# Altium PCB pay-optical-tls2591.PcbDoc (part 2 of 4)
Units mm, origin at the board's own origin, x right, y up, seen from the top; angles counter-clockwise.
Board outline 127 x 55 mm, 4 copper layers (Top Layer, GND, POWER, Bottom Layer), stack 0.778 mm thick; 340 components, 205 nets, 1087 pads, 428 vias.
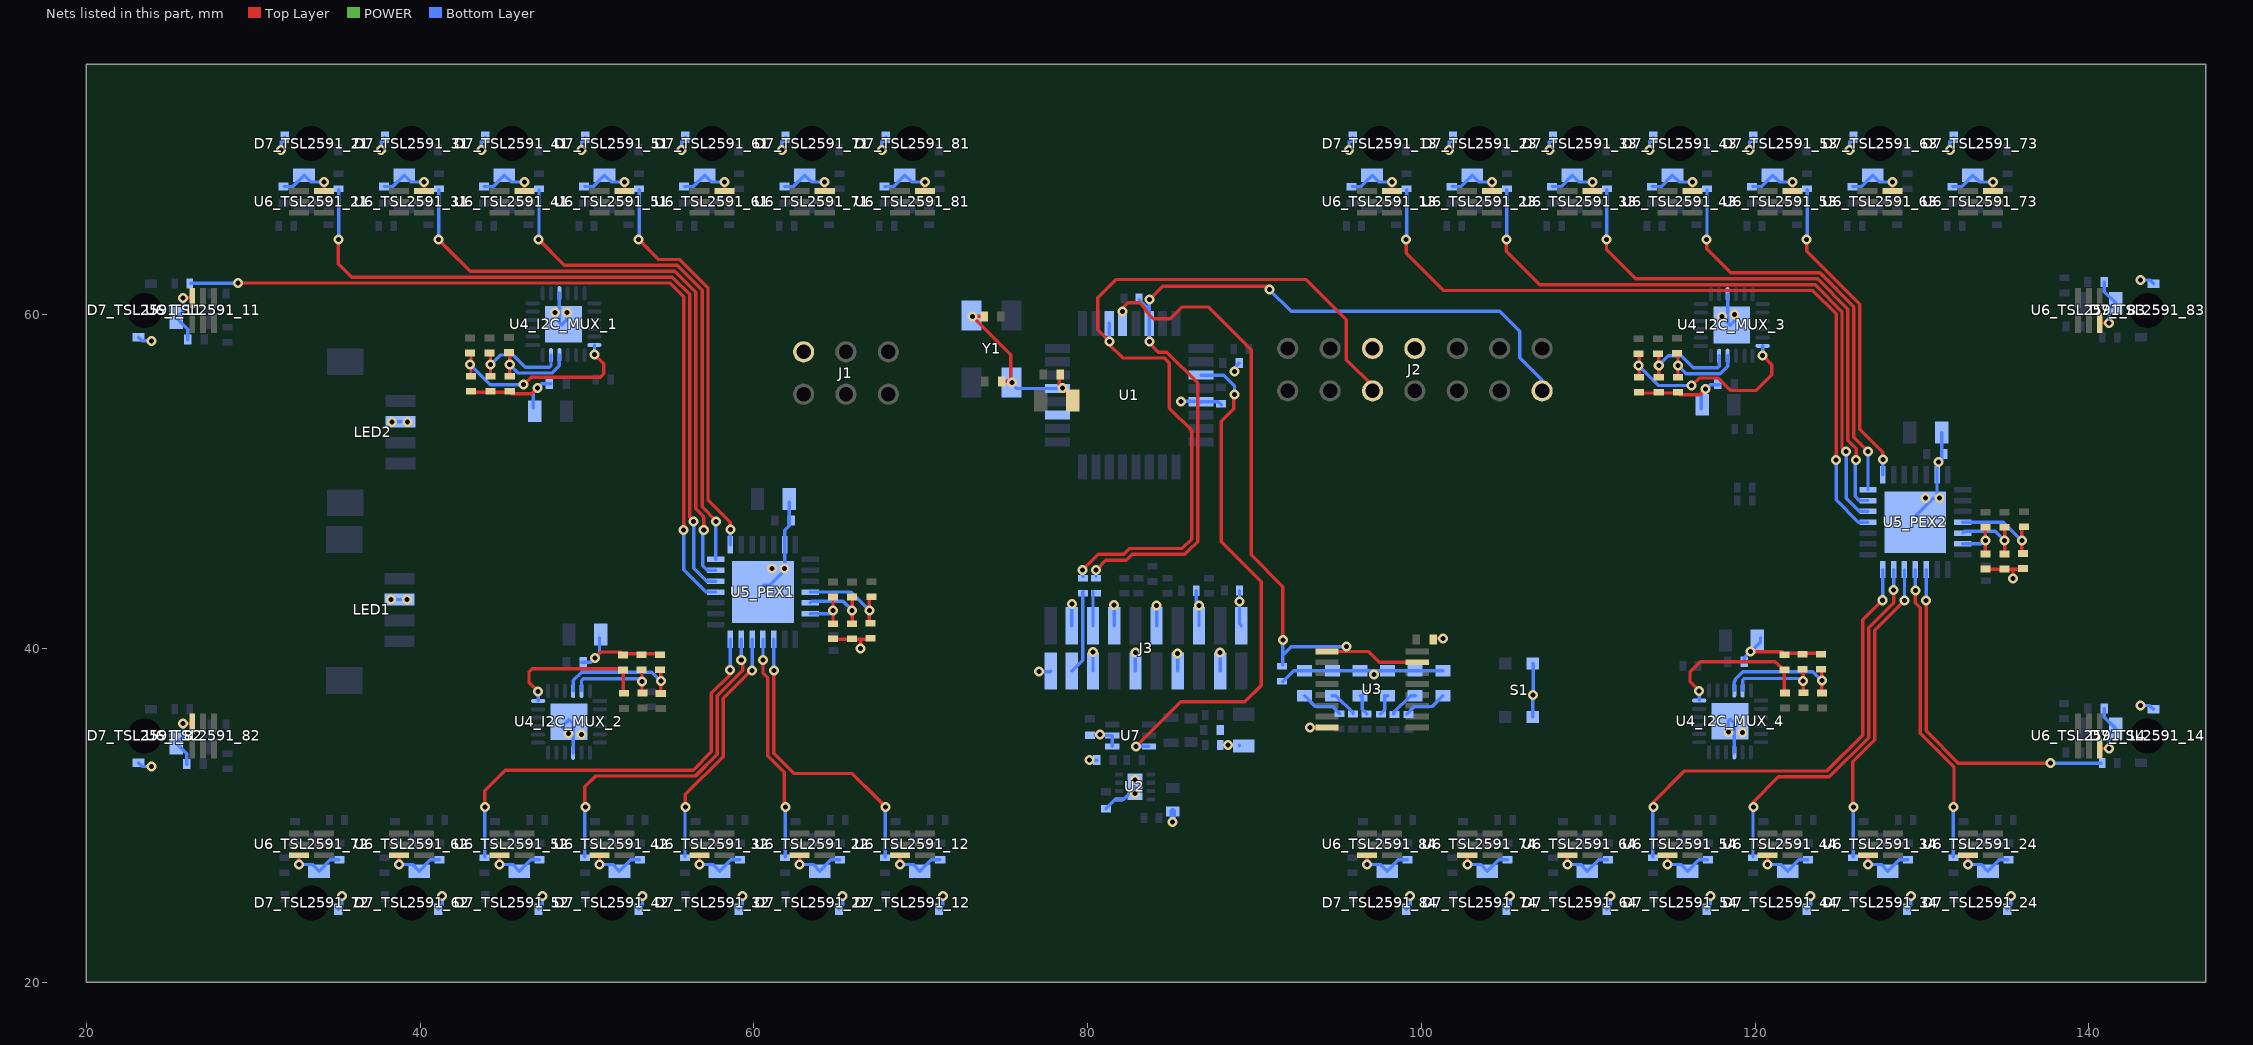
[diagram p4: the nets of this part, all layers, seen from the top]

## Footprints (in the part's own frame and the unit in brackets; to place one, negate y for a bottom-side part, rotate by r counter-clockwise, add the part's x,y. Pads: shape width x height; smd on the part's side, far side on the other; paste and mask are expansions set on the pad) (continued)
RES0603R [mm] "resistor 0603 reflow soldering"
  rect 0.5x0.9 smd mask+0: 1(-0.75,0) 2(0.75,0)
  silkscreen extent -0.2,-0.5 0.2,0.5, body extent -0.8,-0.4 0.8,0.4, height 0.45
RGE0024C [mm]
  rect 0.857x0.239 smd paste+0 mask+0: 1(-1.851,1.25)
  oval 0.857x0.239 smd paste+0 mask+0: 2(-1.851,0.75) 3(-1.851,0.25) 4(-1.851,-0.25) 5(-1.851,-0.75) 6(-1.851,-1.25) 13(1.851,-1.25) 14(1.851,-0.75) 15(1.851,-0.25) 16(1.851,0.25) 17(1.851,0.75) 18(1.851,1.25)
  oval 0.239x0.857 smd paste+0 mask+0: 7(-1.25,-1.851) 8(-0.75,-1.851) 9(-0.25,-1.851) 10(0.25,-1.851) 11(0.75,-1.851) 12(1.25,-1.851) 19(1.25,1.851) 20(0.75,1.851) 21(0.25,1.851) 22(-0.25,1.851) 23(-0.75,1.851) 24(-1.25,1.851)
  rect 2.2x2.2 smd paste-1000 mask+0: 25(0,0)
  silkscreen extent -2.8,-2.07 2.07,2.07, body extent -2.05,-2.05 2.05,2.05, height 1
SFMC-110-02-L-D [mil] "CONN RCPT 20POS 0.05 GOLD SMD"
  rect 29x88 smd: 1(225,-53.5) 2(225,53.5) 3(175,-53.5) 4(175,53.5) 5(125,-53.5) 6(125,53.5) 7(75,-53.5) 8(75,53.5) 9(25,-53.5) 10(25,53.5) 11(-25,-53.5) 12(-25,53.5) 13(-75,-53.5) 14(-75,53.5) 15(-125,-53.5) 16(-125,53.5) 17(-175,-53.5) 18(-175,53.5) 19(-225,-53.5) 20(-225,53.5)
  silkscreen extent -280,-108 278,108, body extent -258,-83 258,82, height 180
SLW-103-01-X-D [mil] "CONN RCPT 6POS 0.1 GOLD PCB"
  round 50 hole 34: 1(100,50) 2(100,-50) 3(0,50) 4(0,-50) 5(-100,50) 6(-100,-50)
  silkscreen extent -170,-118 170,118, body extent -150,-97 150,98, height 180
SLW-107-01-X-D [mil]
  round 50 hole 34: 1(300,-50) 2(300,50) 3(200,-50) 4(200,50) 5(100,-50) 6(100,50) 7(0,-50) 8(0,50) 9(-100,-50) 10(-100,50) 11(-200,-50) 12(-200,50) 13(-300,-50) 14(-300,50)
  silkscreen extent -370,-118 370,118, body extent -350,-98 350,98, height 180
SOP65P640X120-16N [mm] "SOP + Pitch P + Lead Span Nominal X Height - #Pins"
  rect 1.4x0.35 smd: 1(0,0) 2(0,-0.65) 3(0,-1.3) 4(0,-1.95) 5(0,-2.6) 6(0,-3.25) 7(0,-3.9) 8(0,-4.55) 9(5.4,-4.55) 10(5.4,-3.9) 11(5.4,-3.25) 12(5.4,-2.6) 13(5.4,-1.95) 14(5.4,-1.3) 15(5.4,-0.65) 16(5.4,0)
  body extent -0.61,-4.84 5.99,0.27, height 1.2
"TI-SOT-SC70 (DCK)" [mm] "IC CURR SENSE 1 CIRCUIT SC70-6"
  rect 0.85x0.35 smd: 1(-1.1,0.65) 2(-1.1,0) 3(-1.1,-0.65) 4(1.1,-0.65) 5(1.1,0) 6(1.1,0.65)
  silkscreen extent -2.4,0.4 -1.9,0.9, body extent -1.05,-1 1.05,1, height 1

## Part data
C1 C3 C4 C10_I2C_MUX_1 C10_I2C_MUX_2 C10_I2C_MUX_3 C10_I2C_MUX_4 C15_PEX1 C15_PEX2 C18: library part "Cap Semi", "Capacitor (Semiconductor SIM Model)", Capacitance=100nF, Case Code (Metric)=1005, Dielectric=X7R, Manufacturer=Murata, Manufacturer Part Number=GCM155R71C104KA55J, Max Operating Temperature=125°C, Min Operating Temperature=-55°C, Package Quantity=1, Ratings=AEC-Q200, Supplier Part Number 1=587-3807-1-ND, Tolerance=10%, Voltage Rating=16V, Case/Package=0402, Case Code (Imperial)=0402, ComponentLink1Description=http://psearch.murata.com/capacitor/product/GCM155R71C104KA55%23.pdf?src-supplier=Avnet, ComponentLink1URL=http://psearch.murata.com/capacitor/product/GCM155R71C104KA55%23.pdf?src-supplier=Avnet, ComponentLink2Description=http://www1.futureelectronics.com/doc/MURATA/GCM155R71C104KA55J.pdf?src-supplier=Future+Electronics, ComponentLink2URL=http://www1.futureelectronics.com/doc/MURATA/GCM155R71C104KA55J.pdf?src-supplier=Future+Electronics, ComponentLink3Description=http://psearch.en.murata.com/capacitor/product/GCM155R71C104KA55%23.pdf?src-supplier=Digi-Key, ComponentLink3URL=http://psearch.en.murata.com/capacitor/product/GCM155R71C104KA55%23.pdf?src-supplier=Digi-Key, ComponentLink4Description=http://search.murata.co.jp/Ceramy/image/img/A01X/partnumbering_e_02.pdf?src-supplier=Digi-Key, ComponentLink4URL=http://search.murata.co.jp/Ceramy/image/img/A01X/partnumbering_e_02.pdf?src-supplier=Digi-Key, Depth=0.5mm, Height=0.5mm, LatestRevisionDate=29-May-2009, LatestRevisionNote="IPC-7351 Footprint Added.", Lead Free="Lead Free", Length=1mm, Mount="Surface Mount", PackageDescription="Chip Capacitor", PackageReference=C1206, Packaging="Tape and Reel", Pricing 2="1=0.1, 10=0.058, 100=0.026, 500=0.01858, 1000=0.0146, 2500=0.01328, 5000=0.01221 (USD)", Published=8-Jun-2000, Publisher="Altium Limited", Radiation Hardening=No, Stock 2=5962647, Supplier 1=Digi-Key, Supplier 2=Digi-Key, Supplier Part Number 2=490-7998-1-ND, Termination=SMD/SMT, Thickness=0.022inch, Voltage Rating (DC)=16V, Width=0.5mm
  C3: Pricing 3="1=0.17, 10=0.12, 100=0.0564, 500=0.03952, 1000=0.03273 (USD)", Stock 3=396535, Supplier 3=Digi-Key, Supplier Part Number 3=399-17704-1-ND
C2 C11_TSL2591_11 C11_TSL2591_12 C11_TSL2591_13 C11_TSL2591_14 C11_TSL2591_21 C11_TSL2591_22 C11_TSL2591_23 C11_TSL2591_24 C11_TSL2591_31 C11_TSL2591_32 C11_TSL2591_33 C11_TSL2591_34 C11_TSL2591_41 C11_TSL2591_42 C11_TSL2591_43 C11_TSL2591_44 C11_TSL2591_51 C11_TSL2591_52 C11_TSL2591_53 C11_TSL2591_54 C11_TSL2591_61 C11_TSL2591_62 C11_TSL2591_63 C11_TSL2591_64 C11_TSL2591_71 C11_TSL2591_72 C11_TSL2591_73 C11_TSL2591_74 C11_TSL2591_81 C11_TSL2591_82 C11_TSL2591_83 C11_TSL2591_84 C12_PEX1 C12_PEX2 C14_I2C_MUX_1 C14_I2C_MUX_2 C14_I2C_MUX_3 C14_I2C_MUX_4: library part Cap, "Capacitor", Capacitance=10uF, Case Code (Metric)=2012, Dielectric=X7R, Manufacturer=TDK, Manufacturer Part Number=CGA4J1X7R0J106K125AC, Max Operating Temperature=125°C, Min Operating Temperature=-55°C, Package Quantity=1, Ratings=AEC-Q200, Supplier Part Number 1=445-6971-1-ND, Tolerance=10%, Voltage Rating=6.3V, Case/Package=0805, Case Code (Imperial)=0805, ComponentLink1Description=http://www.farnell.com/datasheets/1807242.pdf?src-supplier=Element14, ComponentLink1URL=http://www.farnell.com/datasheets/1807242.pdf?src-supplier=Element14, ComponentLink2Description=http://product.tdk.com/capacitor/mlcc/detailed_information.php?lang=en&amp;ref=jp&amp;part_no=CGA4J1X7R0J106K125AC&src-supplier=Mouser, ComponentLink2URL=http://product.tdk.com/capacitor/mlcc/detailed_information.php?lang=en&amp;ref=jp&amp;part_no=CGA4J1X7R0J106K125AC&src-supplier=Mouser, Composition=Ceramic, Depth=1.25mm, Height=1.25mm, LatestRevisionDate=17-Jul-2002, LatestRevisionNote="Re-released for DXP Platform.", Lead Free="Lead Free", Length=2mm, Mount="Surface Mount", PackageDescription="Radial Cap, Thru-Hole; 2 Leads; 0.3 in Pin Spacing", PackageReference=RAD-0.3, Packaging="Tape and Reel", Pricing 1="1=0.48, 10=0.331, 100=0.1984, 500=0.14878, 1000=0.12564 (USD)", Published=8-Jun-2000, Publisher="Altium Limited", REACH SVHC="No SVHC", Stock 1=793917, Supplier 1=Digi-Key, Termination=SMD/SMT, Thickness=0.057inch, Voltage Rating (DC)=6.3V, Weight=0.000194oz, Width=0.049inch
C5 C6: library part Cap, "Capacitor", Capacitance=22pF, Case Code (Metric)=1005, Manufacturer=KEMET, Manufacturer Part Number=C0402C220K4RAC7867, Max Operating Temperature=125°C, Min Operating Temperature=-55°C, Supplier Part Number 1=399-17554-1-ND, Tolerance=10%, Voltage Rating=16V, Case/Package=0402, Case Code (Imperial)=0402, LatestRevisionDate=17-Jul-2002, LatestRevisionNote="Re-released for DXP Platform.", Mount="Surface Mount", PackageDescription="Radial Cap, Thru-Hole; 2 Leads; 0.3 in Pin Spacing", PackageReference=RAD-0.3, Packaging="Tape and Reel", Pricing 1="1=0.19, 10=0.132, 100=0.062, 500=0.0435, 1000=0.03601, 2500=0.03351, 5000=0.03066 (USD)", Published=8-Jun-2000, Publisher="Altium Limited", Stock 1=72125, Supplier 1=Digi-Key
C7 C8 C16 C17 C20: library part Cap, "Capacitor", LatestRevisionDate=17-Jul-2002, LatestRevisionNote="Re-released for DXP Platform.", PackageDescription="Radial Cap, Thru-Hole; 2 Leads; 0.3 in Pin Spacing", PackageReference=RAD-0.3, Published=8-Jun-2000, Publisher="Altium Limited"
C9: library part "Cap Semi", "Capacitor (Semiconductor SIM Model)", LatestRevisionDate=29-May-2009, LatestRevisionNote="IPC-7351 Footprint Added.", PackageDescription="Chip Capacitor", PackageReference=C1206, Published=8-Jun-2000, Publisher="Altium Limited"
C13_TSL2591_11 C13_TSL2591_12 C13_TSL2591_13 C13_TSL2591_14 C13_TSL2591_21 C13_TSL2591_22 C13_TSL2591_23 C13_TSL2591_24 C13_TSL2591_31 C13_TSL2591_32 C13_TSL2591_33 C13_TSL2591_34 C13_TSL2591_41 C13_TSL2591_42 C13_TSL2591_43 C13_TSL2591_44 C13_TSL2591_51 C13_TSL2591_52 C13_TSL2591_53 C13_TSL2591_54 C13_TSL2591_61 C13_TSL2591_62 C13_TSL2591_63 C13_TSL2591_64 C13_TSL2591_71 C13_TSL2591_72 C13_TSL2591_73 C13_TSL2591_74 C13_TSL2591_81 C13_TSL2591_82 C13_TSL2591_83 C13_TSL2591_84: library part Cap, "Capacitor", Capacitance=100nF, Case Code (Metric)=1005, Dielectric=X7R, Manufacturer=Murata, Manufacturer Part Number=GCM155R71C104KA55J, Max Operating Temperature=125°C, Min Operating Temperature=-55°C, Package Quantity=1, Ratings=AEC-Q200, Tolerance=10%, Voltage Rating=16V, Case/Package=0402, Case Code (Imperial)=0402, ComponentLink1Description=http://psearch.murata.com/capacitor/product/GCM155R71C104KA55%23.pdf?src-supplier=Avnet, ComponentLink1URL=http://psearch.murata.com/capacitor/product/GCM155R71C104KA55%23.pdf?src-supplier=Avnet, ComponentLink2Description=http://www1.futureelectronics.com/doc/MURATA/GCM155R71C104KA55J.pdf?src-supplier=Future+Electronics, ComponentLink2URL=http://www1.futureelectronics.com/doc/MURATA/GCM155R71C104KA55J.pdf?src-supplier=Future+Electronics, ComponentLink3Description=http://psearch.en.murata.com/capacitor/product/GCM155R71C104KA55%23.pdf?src-supplier=Digi-Key, ComponentLink3URL=http://psearch.en.murata.com/capacitor/product/GCM155R71C104KA55%23.pdf?src-supplier=Digi-Key, ComponentLink4Description=http://search.murata.co.jp/Ceramy/image/img/A01X/partnumbering_e_02.pdf?src-supplier=Digi-Key, ComponentLink4URL=http://search.murata.co.jp/Ceramy/image/img/A01X/partnumbering_e_02.pdf?src-supplier=Digi-Key, Depth=0.5mm, Height=0.5mm, LatestRevisionDate=17-Jul-2002, LatestRevisionNote="Re-released for DXP Platform.", Lead Free="Lead Free", Length=1mm, Mount="Surface Mount", PackageDescription="Radial Cap, Thru-Hole; 2 Leads; 0.3 in Pin Spacing", PackageReference=RAD-0.3, Packaging="Tape and Reel", Pricing 2="1=0.1, 10=0.058, 100=0.026, 500=0.01858, 1000=0.0146, 2500=0.01328, 5000=0.01221 (USD)", Published=8-Jun-2000, Publisher="Altium Limited", Radiation Hardening=No, Stock 2=5962647, Supplier 1=Digi-Key, Supplier 2=Digi-Key, Supplier Part Number 2=490-7998-1-ND, Termination=SMD/SMT, Thickness=0.022inch, Voltage Rating (DC)=16V, Width=0.5mm
C19: library part Cap, "Capacitor", Capacitance=220pF, Case/Package=0402, Case Code (Metric)=1005, Dielectric=X7R, Manufacturer=Murata, Manufacturer Part Number=GCM155R71H221KA37D, Max Operating Temperature=125°C, Min Operating Temperature=-55°C, Package Quantity=1, Ratings=AEC-Q200, Supplier Part Number 1=490-4912-1-ND, Tolerance=10%, Voltage=50V, Case Code (Imperial)=0402, ComponentLink1Description=http://psearch.murata.com/capacitor/product/GCM155R71H221KA37%23.pdf?src-supplier=Avnet+Europe, ComponentLink1URL=http://psearch.murata.com/capacitor/product/GCM155R71H221KA37%23.pdf?src-supplier=Avnet+Europe, ComponentLink2Description=http://search.murata.co.jp/Ceramy/image/img/A01X/partnumbering_e_02.pdf?src-supplier=Digi-Key, ComponentLink2URL=http://search.murata.co.jp/Ceramy/image/img/A01X/partnumbering_e_02.pdf?src-supplier=Digi-Key, ComponentLink3Description=https://www.murata.com/~/media/webrenewal/support/library/catalog/products/capacitor/mlcc/c03e.ashx?src-supplier=Avnet, ComponentLink3URL=https://www.murata.com/~/media/webrenewal/support/library/catalog/products/capacitor/mlcc/c03e.ashx?src-supplier=Avnet, Depth=0.5mm, Height=0.5mm, LatestRevisionDate=17-Jul-2002, LatestRevisionNote="Re-released for DXP Platform.", Length=1mm, Mount="Surface Mount", PackageDescription="Radial Cap, Thru-Hole; 2 Leads; 0.3 in Pin Spacing", PackageReference=RAD-0.3, Packaging="Tape and Reel", Pricing 1="1=0.1, 10=0.059, 100=0.0264, 500=0.01884, 1000=0.0148, 2500=0.01346, 5000=0.01238 (USD)", Published=8-Jun-2000, Publisher="Altium Limited", Radiation Hardening=No, Stock 1=43838, Supplier 1=Digi-Key, Termination=SMD/SMT, Thickness=0.022inch, Voltage Rating=50V, Voltage Rating (DC)=50V, Width=0.02inch
D1 D2 D3 D4 D5 D6: library part LED, "Just a generic LED"
D7_TSL2591_11 D7_TSL2591_12 D7_TSL2591_13 D7_TSL2591_14 D7_TSL2591_21 D7_TSL2591_22 D7_TSL2591_23 D7_TSL2591_24 D7_TSL2591_31 D7_TSL2591_32 D7_TSL2591_33 D7_TSL2591_34 D7_TSL2591_41 D7_TSL2591_42 D7_TSL2591_43 D7_TSL2591_44 D7_TSL2591_51 D7_TSL2591_52 D7_TSL2591_53 D7_TSL2591_54 D7_TSL2591_61 D7_TSL2591_62 D7_TSL2591_63 D7_TSL2591_64 D7_TSL2591_71 D7_TSL2591_72 D7_TSL2591_73 D7_TSL2591_74 D7_TSL2591_81 D7_TSL2591_82 D7_TSL2591_83 D7_TSL2591_84: library part "LB P4SG", "LED BLUE CLEAR SMD BOTTOM ENTRY", Supplier Part Number 1=475-2814-2-ND, Supplier 1=Digi-Key
J1: Supplier Part Number 1=SAM1088-03-ND, Supplier 1=Digi-Key
J2: Supplier Part Number 1=SAM1088-07-ND, Supplier 1=Digi-Key
J3: Supplier Part Number 1=SAM8969-ND, Supplier 1=Digi-Key
L1: library part Inductor, "Inductor", Case/Package=0402, Case Code (Metric)=1005, DC Resistance (DCR)=55mR, Manufacturer=Murata, Manufacturer Part Number=BLM15PX121SZ1D, Max Current Rating=2A, Max Operating Temperature=125°C, Min Operating Temperature=-55°C, Ratings=AEC-Q200, Supplier Part Number 1=490-16505-1-ND, Case Code (Imperial)=0402, Code_IEC=1005, Code_JEITA=0402, LatestRevisionDate=29-May-2009, LatestRevisionNote="IPC-7351 Footprint Added.", Mount="Surface Mount", Number of Lines=1, PackageDescription="Chip Inductor", PackageReference=0402-A, Packaging="Cut Tape", Pricing 1="1=0.15, 10=0.125, 25=0.0972, 50=0.0804, 100=0.0693, 250=0.05544, 500=0.0499, 1000=0.04158, 5000=0.03881 (USD)", Published=8-Jun-2000, Publisher="Altium Limited", Stock 1=18936, Supplier 1=Digi-Key
LED1 LED2: library part "Header 4", "Header, 4-Pin", LatestRevisionDate=17-Jul-2002, LatestRevisionNote="Re-released for DXP Platform.", Publisher="Altium Limited"
R1: library part Res3, "Resistor", LatestRevisionDate=29-May-2009, LatestRevisionNote="IPC-7351 Footprint Added.", PackageDescription="Chip Resistor", PackageReference=J1-0603, Published=8-Jun-2000, Publisher="Altium Limited", Supplier 1=Digi-Key
R2 R3 R4 R5 R6 R7 R8 R9 R10 R11 R12 R13 R14 R15 R16 R17 R18 R19 R20 R21 R22_TSL2591_11 R22_TSL2591_12 R22_TSL2591_13 R22_TSL2591_14 R22_TSL2591_21 R22_TSL2591_22 R22_TSL2591_23 R22_TSL2591_24 R22_TSL2591_31 R22_TSL2591_32 R22_TSL2591_33 R22_TSL2591_34 R22_TSL2591_41 R22_TSL2591_42 R22_TSL2591_43 R22_TSL2591_44 R22_TSL2591_51 R22_TSL2591_52 R22_TSL2591_53 R22_TSL2591_54 R22_TSL2591_61 R22_TSL2591_62 R22_TSL2591_63 R22_TSL2591_64 R22_TSL2591_71 R22_TSL2591_72 R22_TSL2591_73 R22_TSL2591_74 R22_TSL2591_81 R22_TSL2591_82 R22_TSL2591_83 R22_TSL2591_84 R23_TSL2591_11 R23_TSL2591_12 R23_TSL2591_13 R23_TSL2591_14 R23_TSL2591_21 R23_TSL2591_22 R23_TSL2591_23 R23_TSL2591_24 R23_TSL2591_31 R23_TSL2591_32 R23_TSL2591_33 R23_TSL2591_34 R23_TSL2591_41 R23_TSL2591_42 R23_TSL2591_43 R23_TSL2591_44 R23_TSL2591_51 R23_TSL2591_52 R23_TSL2591_53 R23_TSL2591_54 R23_TSL2591_61 R23_TSL2591_62 R23_TSL2591_63 R23_TSL2591_64 R23_TSL2591_71 R23_TSL2591_72 R23_TSL2591_73 R23_TSL2591_74 R23_TSL2591_81 R23_TSL2591_82 R23_TSL2591_83 R23_TSL2591_84 R24_TSL2591_11 R24_TSL2591_12 R24_TSL2591_13 R24_TSL2591_14 R24_TSL2591_21 R24_TSL2591_22 R24_TSL2591_23 R24_TSL2591_24 R24_TSL2591_31 R24_TSL2591_32 R24_TSL2591_33 R24_TSL2591_34 R24_TSL2591_41 R24_TSL2591_42 R24_TSL2591_43 R24_TSL2591_44 R24_TSL2591_51 R24_TSL2591_52 R24_TSL2591_53 R24_TSL2591_54 R24_TSL2591_61 R24_TSL2591_62 R24_TSL2591_63 R24_TSL2591_64 R24_TSL2591_71 R24_TSL2591_72 R24_TSL2591_73 R24_TSL2591_74 R24_TSL2591_81 R24_TSL2591_82 R24_TSL2591_83 R24_TSL2591_84 R25 R26 R32_PEX1 R32_PEX2 R45_I2C_MUX_1 R45_I2C_MUX_2 R45_I2C_MUX_3 R45_I2C_MUX_4: library part Res1, "Resistor", LatestRevisionDate=17-Jul-2002, LatestRevisionNote="Re-released for DXP Platform.", PackageDescription="Axial Device, Thru-Hole; 2 Leads; 0.3 in Pin Spacing", PackageReference=AXIAL-0.3, Published=8-Jun-2000, Publisher="Altium Limited"
  R2 R3 R4 R5 R14 R15 R16 R17 R18 R19 R20 R21 R22_TSL2591_11 R22_TSL2591_12 R22_TSL2591_13 R22_TSL2591_14 R22_TSL2591_21 R22_TSL2591_22 R22_TSL2591_23 R22_TSL2591_24 R22_TSL2591_31 R22_TSL2591_32 R22_TSL2591_33 R22_TSL2591_34 R22_TSL2591_41 R22_TSL2591_42 R22_TSL2591_43 R22_TSL2591_44 R22_TSL2591_51 R22_TSL2591_52 R22_TSL2591_53 R22_TSL2591_54 R22_TSL2591_61 R22_TSL2591_62 R22_TSL2591_63 R22_TSL2591_64 R22_TSL2591_71 R22_TSL2591_72 R22_TSL2591_73 R22_TSL2591_74 R22_TSL2591_81 R22_TSL2591_82 R22_TSL2591_83 R22_TSL2591_84 R23_TSL2591_11 R23_TSL2591_12 R23_TSL2591_13 R23_TSL2591_14 R23_TSL2591_21 R23_TSL2591_22 R23_TSL2591_23 R23_TSL2591_24 R23_TSL2591_31 R23_TSL2591_32 R23_TSL2591_33 R23_TSL2591_34 R23_TSL2591_41 R23_TSL2591_42 R23_TSL2591_43 R23_TSL2591_44 R23_TSL2591_51 R23_TSL2591_52 R23_TSL2591_53 R23_TSL2591_54 R23_TSL2591_61 R23_TSL2591_62 R23_TSL2591_63 R23_TSL2591_64 R23_TSL2591_71 R23_TSL2591_72 R23_TSL2591_73 R23_TSL2591_74 R23_TSL2591_81 R23_TSL2591_82 R23_TSL2591_83 R23_TSL2591_84 R24_TSL2591_11 R24_TSL2591_12 R24_TSL2591_13 R24_TSL2591_14 R24_TSL2591_21 R24_TSL2591_22 R24_TSL2591_23 R24_TSL2591_24 R24_TSL2591_31 R24_TSL2591_32 R24_TSL2591_33 R24_TSL2591_34 R24_TSL2591_41 R24_TSL2591_42 R24_TSL2591_43 R24_TSL2591_44 R24_TSL2591_51 R24_TSL2591_52 R24_TSL2591_53 R24_TSL2591_54 R24_TSL2591_61 R24_TSL2591_62 R24_TSL2591_63 R24_TSL2591_64 R24_TSL2591_71 R24_TSL2591_72 R24_TSL2591_73 R24_TSL2591_74 R24_TSL2591_81 R24_TSL2591_82 R24_TSL2591_83 R24_TSL2591_84 R25 R32_PEX1 R32_PEX2 R45_I2C_MUX_1 R45_I2C_MUX_2 R45_I2C_MUX_3 R45_I2C_MUX_4: Supplier 1=Digi-Key
R27 R33_PEX1 R33_PEX2 R34_PEX1 R34_PEX2 R35_PEX1 R35_PEX2 R36_PEX1 R36_PEX2 R37_PEX1 R37_PEX2 R38_PEX1 R38_PEX2 R39_I2C_MUX_1 R39_I2C_MUX_2 R39_I2C_MUX_3 R39_I2C_MUX_4 R40_I2C_MUX_1 R40_I2C_MUX_2 R40_I2C_MUX_3 R40_I2C_MUX_4 R41_I2C_MUX_1 R41_I2C_MUX_2 R41_I2C_MUX_3 R41_I2C_MUX_4 R42_I2C_MUX_1 R42_I2C_MUX_2 R42_I2C_MUX_3 R42_I2C_MUX_4 R43_I2C_MUX_1 R43_I2C_MUX_2 R43_I2C_MUX_3 R43_I2C_MUX_4 R44_I2C_MUX_1 R44_I2C_MUX_2 R44_I2C_MUX_3 R44_I2C_MUX_4: library part Res1, "Resistor", Case Code (Metric)=1005, Manufacturer=Panasonic, Manufacturer Part Number=ERJ2GE0R00X, Max Operating Temperature=155°C, Max Power Dissipation=100mW, Min Operating Temperature=-55°C, Package Quantity=1, Resistance=0mR, Temperature Coefficient=600ppm/°C, Tolerance=5%, Voltage Rating=50V, Case/Package=0402, Case Code (Imperial)=0402, ComponentLink1Description=http://industrial.panasonic.com/www-data/pdf/AOA0000/AOA0000CE1.pdf?src-supplier=Avnet, ComponentLink1URL=http://industrial.panasonic.com/www-data/pdf/AOA0000/AOA0000CE1.pdf?src-supplier=Avnet, ComponentLink2Description=http://www.alliedelec.com/m/d/51cd0790071e1666bdb9d00c57fcf960.pdf?src-supplier=Allied+Electronics, ComponentLink2URL=http://www.alliedelec.com/m/d/51cd0790071e1666bdb9d00c57fcf960.pdf?src-supplier=Allied+Electronics, ComponentLink3Description=http://industrial.panasonic.com/www-data/pdf/AOA0000/AOA0000CE1.pdf?src-supplier=Avnet+Europe, ComponentLink3URL=http://industrial.panasonic.com/www-data/pdf/AOA0000/AOA0000CE1.pdf?src-supplier=Avnet+Europe, ComponentLink4Description=http://www.farnell.com/datasheets/2059623.pdf?src-supplier=Farnell, ComponentLink4URL=http://www.farnell.com/datasheets/2059623.pdf?src-supplier=Farnell, ComponentLink5Description=http://www.farnell.com/datasheets/1678796.pdf?src-supplier=Element14, ComponentLink5URL=http://www.farnell.com/datasheets/1678796.pdf?src-supplier=Element14, ComponentLink6Description=http://www.farnell.com/datasheets/2059623.pdf?src-supplier=Element14, ComponentLink6URL=http://www.farnell.com/datasheets/2059623.pdf?src-supplier=Element14, Composition="Thick Film", Contact Plating=Tin, Depth=0.5mm, Features="Automotive AEC-Q200", Height=0.35mm, LatestRevisionDate=17-Jul-2002, LatestRevisionNote="Re-released for DXP Platform.", Lead Free="Lead Free", Length=1mm, Military Standard=Not, Mount="Surface Mount", Number of Terminations=2, PackageDescription="Axial Device, Thru-Hole; 2 Leads; 0.3 in Pin Spacing", PackageReference=AXIAL-0.3, Packaging="Tape and Reel", Power Rating=100mW, Pricing 2="1=0.1, 10=0.03, 25=0.0216, 50=0.0164, 100=0.0121, 250=0.00924, 500=0.0074, 1000=0.00545, 5000=0.00391 (USD)", Published=8-Jun-2000, Publisher="Altium Limited", Radiation Hardening=No, REACH SVHC="No SVHC", Stock 2=51531353, Supplier 1=Digi-Key, Supplier 2=Digi-Key, Supplier Part Number 2=P0.0JCT-ND, Termination=SMD/SMT, Voltage Rating (DC)=50V, Width=0.02inch
S1: library part "Pushbutton - Low Profile", "Schematic symbol for a generic 2-pin pushbutton, OFF-mom.", Supplier 1=Digi-Key
U1: library part ATMEGA8A-AUR, "8-bit AVR Microcontroller, 2.7-5.5V, 16MHz, 8KB Flash, 512 Bytes EEPROM, 1KB SRAM, 32-pin TQFP, Industrial Grade (-40°C to 85°C), Reel", Supplier Part Number 1=ATMEGA8A-AURCT-ND, Code_JEDEC=MS-026-ABA, ComponentLink1Description="Manufacturer URL", ComponentLink1URL=http://www.atmel.com/, ComponentLink2Description="ATmega8A Datasheet", ComponentLink2URL=http://www.atmel.com/dyn/resources/prod_documents/doc8159.pdf, ComponentLink3Description="ATmega8A Summary", ComponentLink3URL=http://www.atmel.com/dyn/resources/prod_documents/8159S.pdf, DatasheetVersion="revD, Feb-2011", PackageDescription="32-Lead, 7x7x1.0 mm Body, 0.8mm Lead Pitch, Thin Profile Plastic Quad Flat Package (TQFP)", PackageReference=32A, PackageVersion="revC, Oct-2010", PartNumber=ATMEGA8A-AUR, Supplier 1=Digi-Key
U2: "IC LOAD SWITCH N-CH 6A 8WSON", Supplier Part Number 1=296-47228-1-ND, ComponentLink1Description=Datasheet, ComponentLink1URL=http://www.ti.com/general/docs/suppproductinfo.tsp?distId=10&gotoUrl=http%3A%2F%2Fwww.ti.com%2Flit%2Fgpn%2Ftps22975, Supplier 1=Digi-Key
U3: library part SN74HC365PW, "Hex non-inverting buffer with 3-state outputs. SN74HC365PW.", Supplier Part Number 1=296-33932-5-ND, Supplier 1=Digi-Key
U4_I2C_MUX_1 U4_I2C_MUX_2 U4_I2C_MUX_3 U4_I2C_MUX_4: Supplier Part Number 1=296-39222-1-ND, Supplier 1=Digi-Key
U5_PEX1 U5_PEX2: Supplier Part Number 1=MCP23017-E/ML-ND, Supplier 1=Digi-Key
U6_TSL2591_11 U6_TSL2591_12 U6_TSL2591_13 U6_TSL2591_14 U6_TSL2591_21 U6_TSL2591_22 U6_TSL2591_23 U6_TSL2591_24 U6_TSL2591_31 U6_TSL2591_32 U6_TSL2591_33 U6_TSL2591_34 U6_TSL2591_41 U6_TSL2591_42 U6_TSL2591_43 U6_TSL2591_44 U6_TSL2591_51 U6_TSL2591_52 U6_TSL2591_53 U6_TSL2591_54 U6_TSL2591_61 U6_TSL2591_62 U6_TSL2591_63 U6_TSL2591_64 U6_TSL2591_71 U6_TSL2591_72 U6_TSL2591_73 U6_TSL2591_74 U6_TSL2591_81 U6_TSL2591_82 U6_TSL2591_83 U6_TSL2591_84: "Light-to-Digital Converter with I2C Interface, 2.7 to 3.6 V, -30 to 70 degC, FN-6, Pb-Free, Reel", Manufacturer=AMS, Supply Voltage (V)="2.7 - 3.6", ComponentLink1Description="Manufacturer URL", ComponentLink1URL=www.ams.com, ComponentLink2Description=Datasheet, ComponentLink2URL=http://www.ams.com/eng/content/download/389383/1251117/221235, Interface="I2C - Vdd", Maximum Lux=88K, Mounting Technology="Surface Mount", PackageDescription="6-Pin Dual Flat No-Lead, 2.4 x 2 mm Body, 0.65 mm Pitch", PackageReference=FN-6, PackageVersion="TAOS059Q, 11/2009", PartNumber=TSL25911FN, Programmable="Gain, Integration Time, Interrupt"
U7: "IC CURR SENSE 1 CIRCUIT SC70-6", Supplier Part Number 1=296-51151-1-ND, ComponentLink1Description=Datasheet, ComponentLink1URL=http://www.ti.com/general/docs/suppproductinfo.tsp?distId=10&gotoUrl=http%3A%2F%2Fwww.ti.com%2Flit%2Fgpn%2Fina213-q1, Supplier 1=Digi-Key
Y1: library part AMB3B-8MHz, "8MHz Abracom 4-pin crystal.", Supplier Part Number 1=535-13456-1-ND, Supplier 1=Digi-Key

## Via types
v1: diameter 0.6, hole 0.3, Top Layer to Bottom Layer, tented both sides, 404 vias
v2: diameter 1.3, hole 1, Top Layer to Bottom Layer, 16 vias
v3: diameter 6.5, hole 3.6, Top Layer to Bottom Layer, 8 vias
